# KiCad board B-Sides 2024.kicad_pcb
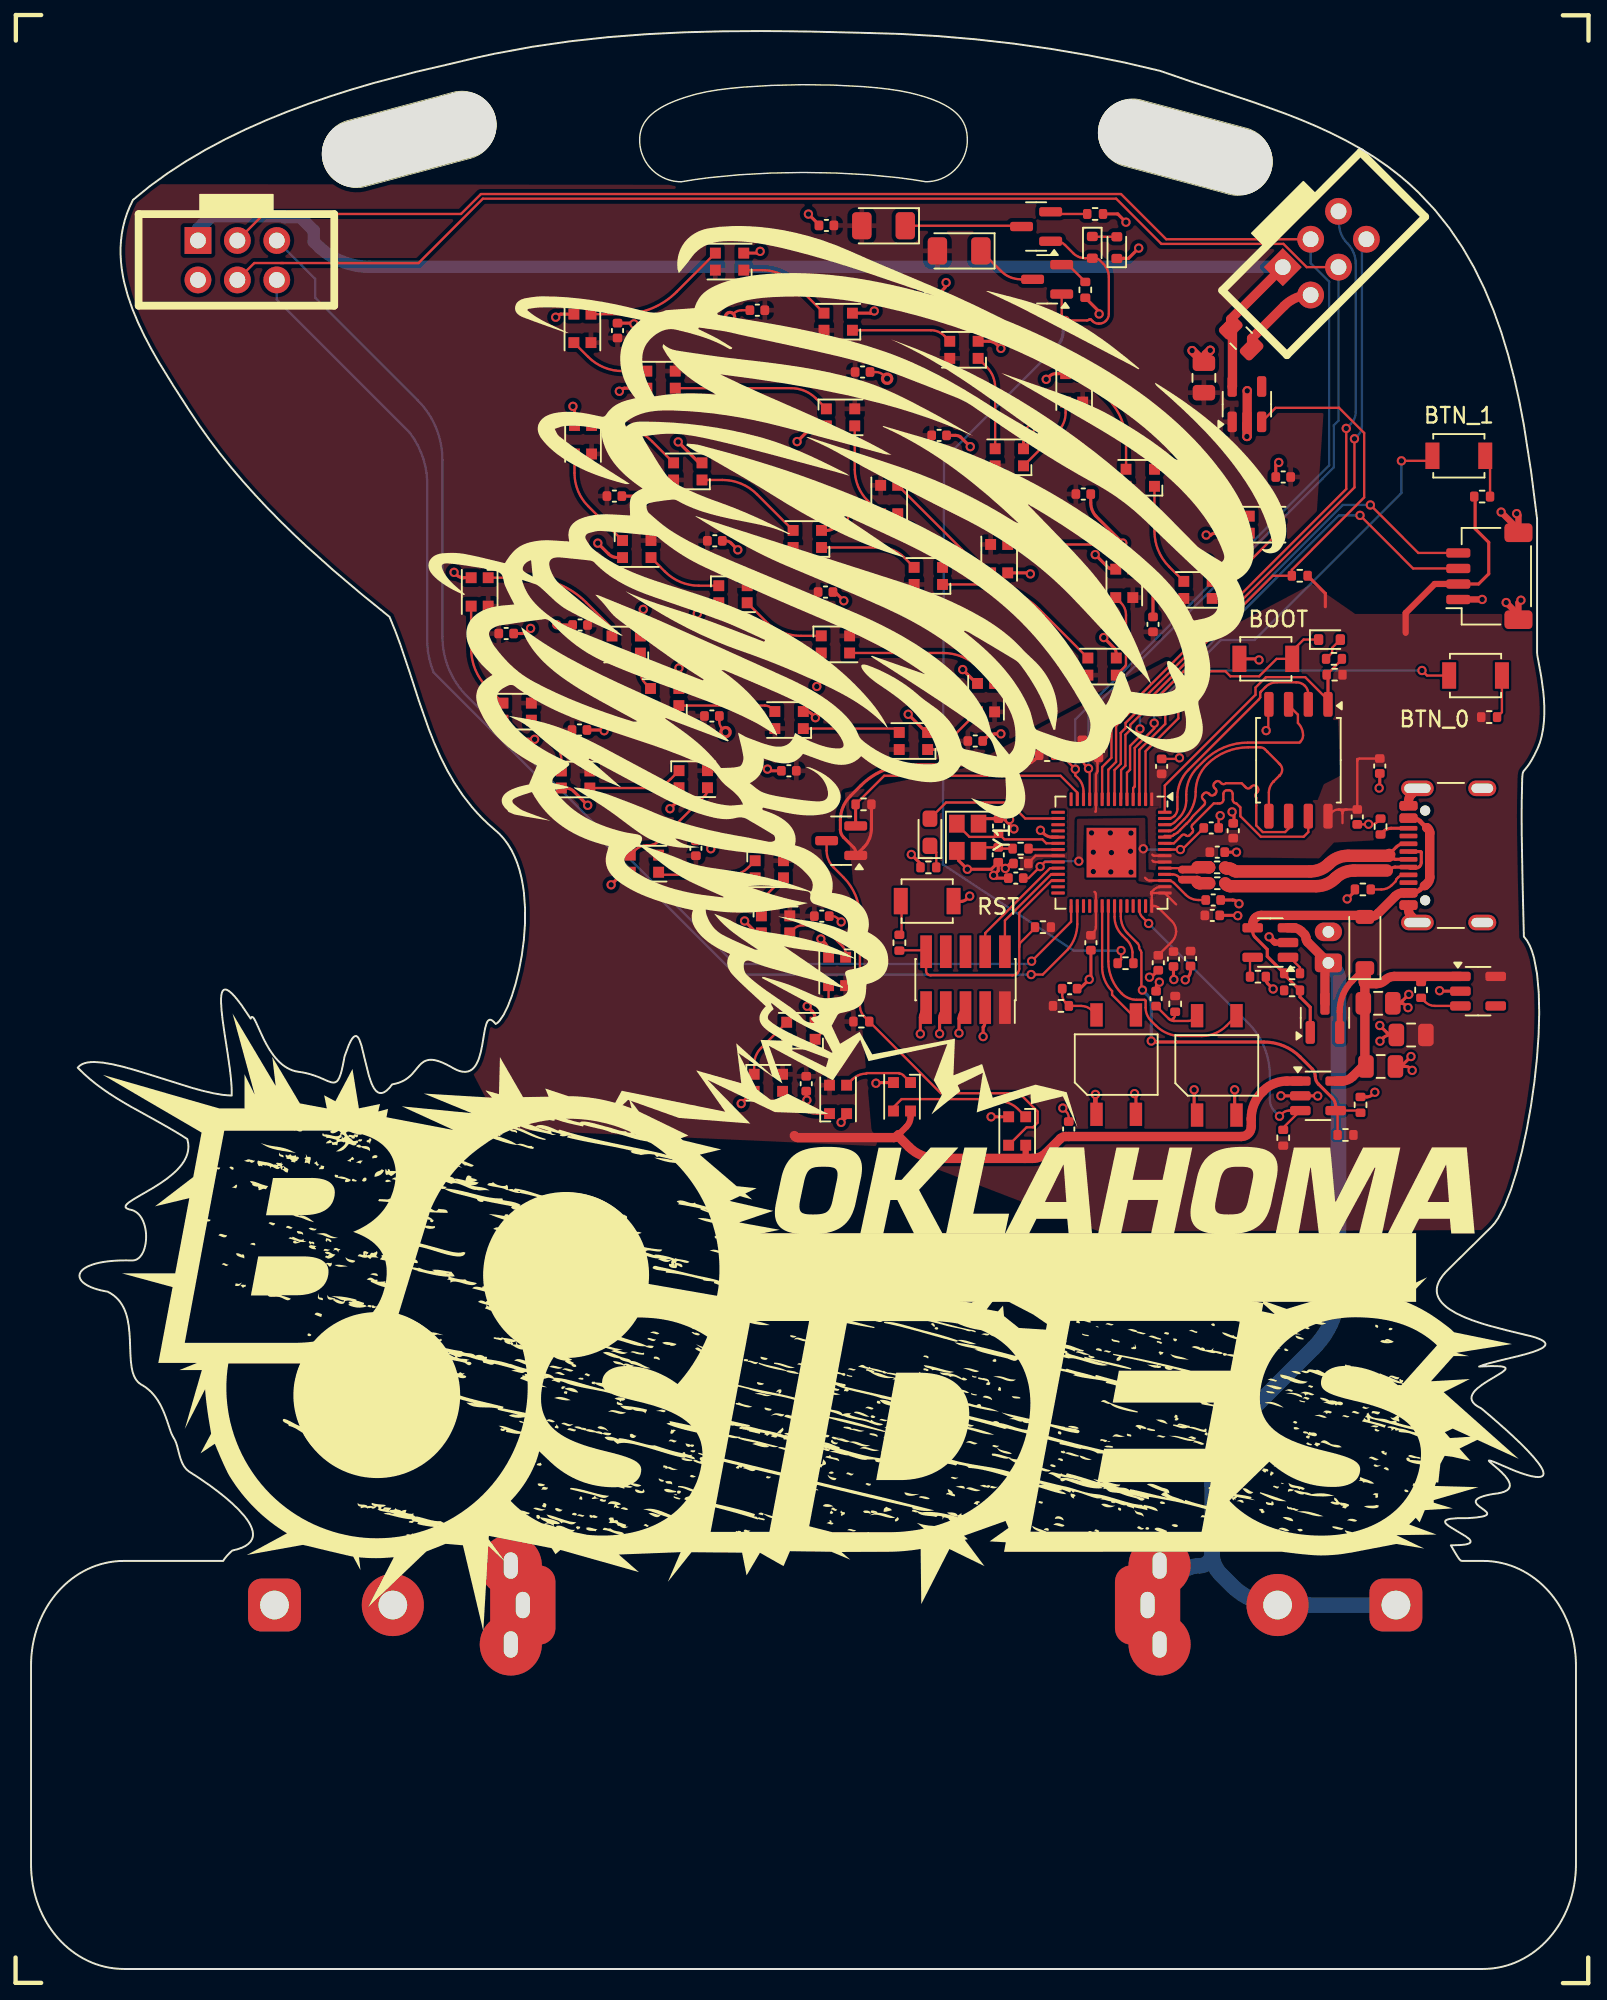
[diagram p0: board, top side]
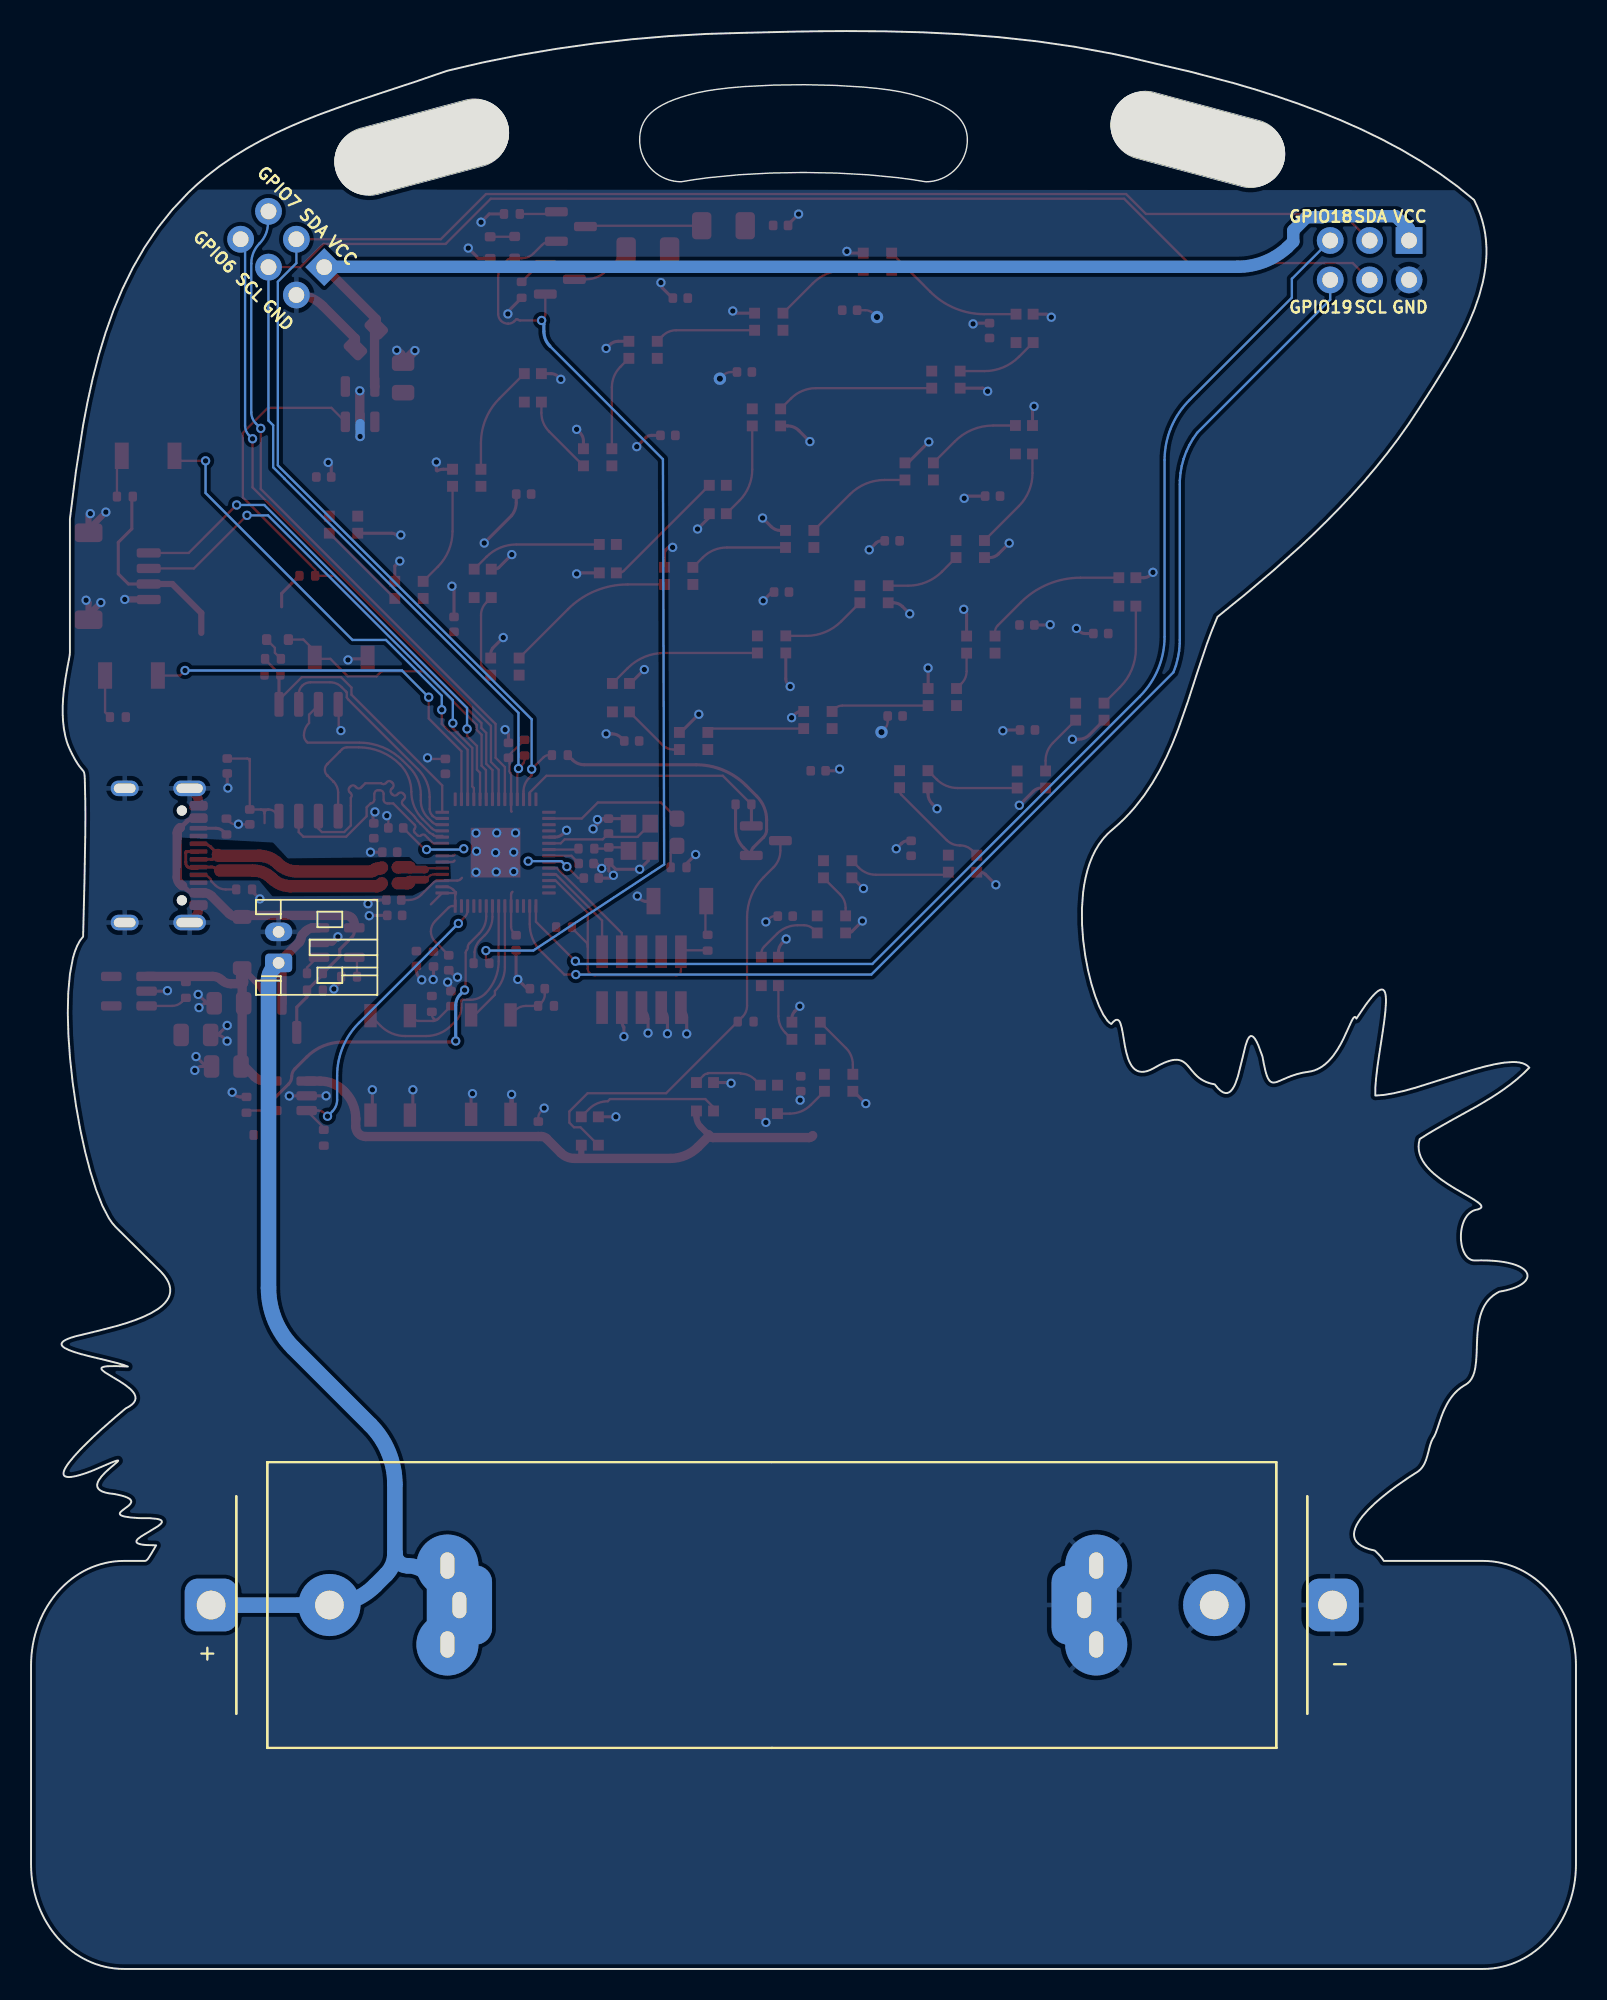
[diagram p1: board, bottom side, seen from below]

Outline 99.53 x 124.79 mm; copper layers: Top, Bottom. Coordinates in mm from the lower left corner of the outline.
Outline path: 51.69,121.31 53.57,121.22 54.44,121.14 55.25,121.05 55.97,120.94 56.6,120.82 57.15,120.68 57.65,120.53 58.09,120.38 58.49,120.22 58.84,120.05 59.14,119.87 59.4,119.69 59.62,119.5 59.81,119.3 59.96,119.1 60.08,118.89 60.18,118.68 60.24,118.46 60.29,118.23 60.31,118 60.32,117.77 60.32,117.63 60.31,117.5 60.29,117.36 60.27,117.23 60.24,117.1 60.2,116.97 60.16,116.85 60.11,116.73 60.06,116.61 60,116.49 59.93,116.38 59.86,116.27 59.79,116.17 59.71,116.07 59.63,115.97 59.54,115.87 59.44,115.79 59.35,115.7 59.24,115.62 59.14,115.55 59.03,115.48 58.92,115.41 58.8,115.35 58.68,115.3 58.56,115.25 58.44,115.21 58.31,115.17 58.18,115.14 58.05,115.12 57.91,115.1 57.78,115.09 57.64,115.09 56.78,115.23 55.87,115.35 53.93,115.54 51.88,115.65 49.77,115.69 47.66,115.65 45.6,115.54 43.66,115.35 42.75,115.23 41.89,115.09 41.76,115.09 41.62,115.1 41.49,115.12 41.35,115.14 41.22,115.17 41.1,115.21 40.97,115.25 40.85,115.3 40.73,115.35 40.62,115.41 40.5,115.48 40.39,115.55 40.29,115.62 40.19,115.7 40.09,115.79 40,115.87 39.91,115.97 39.82,116.07 39.74,116.17 39.67,116.27 39.6,116.38 39.53,116.49 39.48,116.61 39.42,116.73 39.37,116.85 39.33,116.97 39.3,117.1 39.27,117.23 39.24,117.36 39.22,117.5 39.21,117.63 39.21,117.77 39.21,117.88 39.22,117.99 39.23,118.1 39.25,118.21 39.27,118.31 39.3,118.42 39.34,118.52 39.38,118.63 39.42,118.73 39.48,118.83 39.54,118.93 39.61,119.03 39.69,119.13 39.77,119.22 39.86,119.32 39.96,119.41 40.07,119.51 40.19,119.6 40.32,119.69 40.45,119.78 40.6,119.87 40.76,119.96 40.92,120.04 41.1,120.13 41.29,120.21 41.49,120.29 41.7,120.37 41.92,120.45 42.15,120.53 42.4,120.6 42.65,120.68 42.92,120.75 43.53,120.88 44.23,121 45.02,121.1 45.87,121.18 47.73,121.29 49.71,121.34 closed ; 48.68,124.78 50.34,124.76 53.68,124.68 56.03,124.61 58.42,124.47 60.84,124.26 63.26,123.99 65.68,123.65 68.07,123.24 70.43,122.77 72.73,122.23 74.74,121.54 76.77,120.87 78.81,120.19 80.83,119.47 81.82,119.08 82.8,118.66 83.76,118.22 84.7,117.75 85.62,117.24 86.52,116.69 87.38,116.09 88.22,115.45 88.81,114.93 89.38,114.4 90.44,113.28 91.38,112.1 92.22,110.86 92.97,109.56 93.63,108.21 94.22,106.82 94.73,105.39 95.17,103.93 95.55,102.45 95.89,100.94 96.18,99.43 96.65,96.39 97.03,93.37 97.03,84.76 97.04,84.63 97.07,84.43 97.18,83.88 97.31,83.14 97.42,82.28 97.47,81.81 97.49,81.33 97.5,80.85 97.47,80.36 97.42,79.87 97.33,79.4 97.27,79.17 97.2,78.94 97.12,78.72 97.02,78.51 96.84,78.13 96.68,77.84 96.54,77.62 96.43,77.46 96.15,77.13 96.12,77.06 96.1,76.96 96.08,76.83 96.07,76.66 96.04,75.19 96.03,74.23 96.04,72.97 96.09,70.07 96.18,66.48 96.38,66.22 96.55,65.9 96.71,65.53 96.84,65.09 97.03,64.07 97.14,62.89 97.17,61.56 97.13,60.13 97.02,58.64 96.85,57.11 96.63,55.58 96.37,54.09 96.06,52.66 95.71,51.34 95.34,50.16 94.94,49.15 94.52,48.35 94.31,48.04 94.09,47.79 91.39,45.12 91.15,44.88 90.95,44.65 90.79,44.42 90.68,44.21 90.6,44 90.57,43.8 90.57,43.61 90.6,43.42 90.66,43.25 90.76,43.08 90.88,42.92 91.03,42.77 91.19,42.62 91.38,42.48 91.82,42.22 92.31,41.99 92.85,41.77 93.4,41.58 93.97,41.41 95.06,41.13 95.98,40.9 96.68,40.74 96.94,40.66 97.16,40.58 97.33,40.5 97.45,40.42 97.53,40.35 97.56,40.27 97.56,40.2 97.53,40.13 97.46,40.06 97.37,39.99 97.09,39.85 96.73,39.72 96.31,39.6 95.84,39.47 94.86,39.23 93.95,39.01 93.58,38.9 93.29,38.79 94.07,38.82 94.6,38.81 94.77,38.79 94.9,38.76 94.97,38.73 95,38.68 94.99,38.62 94.95,38.56 94.77,38.42 94.17,38.05 93.81,37.84 93.47,37.61 93.16,37.37 93.04,37.25 92.93,37.12 92.86,36.99 92.81,36.86 92.8,36.74 92.83,36.61 92.9,36.48 93.03,36.35 93.2,36.22 93.43,36.1 94.11,35.53 95,34.75 95.47,34.31 95.94,33.86 96.38,33.42 96.77,33 97.09,32.61 97.21,32.43 97.32,32.27 97.39,32.12 97.43,31.99 97.44,31.88 97.42,31.8 97.39,31.76 97.35,31.73 97.25,31.69 97.1,31.67 96.91,31.69 96.66,31.73 96.37,31.81 96.02,31.92 95.62,32.07 94.36,32.61 94.06,32.72 93.93,32.74 93.92,32.73 93.94,32.69 94.06,32.58 94.5,32.21 94.75,31.98 94.98,31.73 95.17,31.48 95.23,31.35 95.27,31.23 95.27,31.12 95.25,31.01 95.19,30.91 95.08,30.82 94.94,30.74 94.74,30.67 94.49,30.62 94.18,30.59 93.91,30.53 93.68,30.48 93.5,30.42 93.35,30.36 93.24,30.31 93.16,30.25 93.1,30.19 93.08,30.13 93.08,30.07 93.1,30.01 93.13,29.95 93.18,29.9 93.31,29.78 93.46,29.67 93.61,29.56 93.73,29.46 93.78,29.41 93.81,29.36 93.82,29.32 93.8,29.27 93.77,29.23 93.7,29.2 93.61,29.16 93.48,29.13 93.12,29.07 92.58,29.03 91.88,29.03 91.42,28.98 91.27,28.95 91.17,28.9 91.12,28.85 91.1,28.8 91.12,28.73 91.17,28.66 91.35,28.51 91.89,28.19 92.44,27.85 92.64,27.7 92.71,27.63 92.74,27.56 92.74,27.5 92.71,27.44 92.63,27.39 92.51,27.35 92.34,27.32 92.11,27.3 91.47,27.28 91.58,27.09 91.67,26.93 91.76,26.79 92.28,26.28 93.55,26.28 93.86,26.27 94.16,26.24 94.46,26.2 94.76,26.14 95.05,26.06 95.33,25.97 95.61,25.87 95.88,25.75 96.15,25.61 96.4,25.47 96.66,25.3 96.9,25.13 97.13,24.94 97.36,24.74 97.58,24.53 97.78,24.31 97.98,24.08 98.17,23.83 98.35,23.58 98.51,23.31 98.67,23.04 98.81,22.76 98.94,22.47 99.06,22.17 99.17,21.86 99.26,21.55 99.35,21.23 99.41,20.91 99.46,20.57 99.5,20.24 99.53,19.89 99.53,19.55 99.53,6.73 99.53,6.38 99.5,6.04 99.46,5.7 99.41,5.37 99.35,5.04 99.26,4.72 99.17,4.41 99.06,4.1 98.94,3.81 98.81,3.52 98.67,3.23 98.51,2.96 98.35,2.7 98.17,2.44 97.98,2.2 97.78,1.97 97.58,1.74 97.36,1.53 97.13,1.33 96.9,1.15 96.66,0.97 96.4,0.81 96.15,0.66 95.88,0.53 95.61,0.41 95.33,0.3 95.05,0.21 94.76,0.14 94.46,0.08 94.16,0.03 93.86,0.01 93.55,0 5.99,0 5.68,0.01 5.37,0.03 5.07,0.08 4.78,0.14 4.49,0.21 4.2,0.3 3.92,0.41 3.65,0.53 3.39,0.66 3.13,0.81 2.88,0.97 2.63,1.15 2.4,1.33 2.17,1.53 1.96,1.74 1.75,1.97 1.55,2.2 1.36,2.44 1.19,2.7 1.02,2.96 0.86,3.23 0.72,3.52 0.59,3.81 0.47,4.1 0.36,4.41 0.27,4.72 0.19,5.04 0.12,5.37 0.07,5.7 0.03,6.04 0.01,6.38 0,6.73 0,19.55 0.01,19.89 0.03,20.24 0.07,20.57 0.12,20.91 0.19,21.23 0.27,21.55 0.36,21.86 0.47,22.17 0.59,22.47 0.72,22.76 0.86,23.04 1.02,23.31 1.19,23.58 1.36,23.83 1.55,24.08 1.75,24.31 1.96,24.53 2.17,24.74 2.4,24.94 2.63,25.13 2.88,25.3 3.13,25.47 3.39,25.61 3.65,25.75 3.92,25.87 4.2,25.97 4.49,26.06 4.78,26.14 5.07,26.2 5.37,26.24 5.68,26.27 5.99,26.28 12.38,26.28 12.59,26.56 12.67,26.65 12.75,26.74 12.85,26.84 12.96,26.94 13.3,27.03 13.59,27.13 13.82,27.24 14,27.37 14.14,27.51 14.23,27.66 14.28,27.83 14.3,28 14.28,28.18 14.23,28.37 14.14,28.56 14.03,28.76 13.9,28.96 13.74,29.17 13.37,29.58 12.95,29.99 12.49,30.38 12.02,30.76 11.56,31.1 10.76,31.66 10.26,31.98 10.18,32.03 10.12,32.08 10.06,32.13 10,32.19 9.95,32.25 9.9,32.31 9.85,32.38 9.81,32.45 9.77,32.52 9.74,32.59 9.67,32.74 9.62,32.89 9.57,33.05 9.41,33.67 9.36,33.82 9.31,33.96 9.25,34.09 9.22,34.15 9.18,34.21 9.11,34.34 9.04,34.5 8.97,34.68 8.9,34.89 8.75,35.34 8.66,35.58 8.57,35.83 8.46,36.08 8.33,36.33 8.19,36.58 8.11,36.7 8.02,36.82 7.93,36.93 7.84,37.05 7.74,37.15 7.63,37.26 7.51,37.36 7.39,37.45 7.26,37.54 7.12,37.62 6.99,37.71 6.87,37.81 6.77,37.93 6.69,38.07 6.62,38.22 6.56,38.38 6.52,38.56 6.48,38.74 6.43,39.14 6.4,39.57 6.37,40.48 6.34,40.95 6.29,41.41 6.21,41.86 6.16,42.08 6.09,42.29 6.01,42.49 5.91,42.69 5.79,42.87 5.66,43.05 5.51,43.21 5.34,43.36 5.15,43.49 4.93,43.61 4.69,43.66 4.45,43.71 4.24,43.77 4.05,43.83 3.87,43.9 3.71,43.97 3.57,44.05 3.45,44.13 3.35,44.21 3.27,44.3 3.2,44.38 3.15,44.47 3.13,44.56 3.12,44.65 3.13,44.74 3.17,44.82 3.22,44.91 3.29,44.99 3.38,45.07 3.49,45.15 3.63,45.22 3.78,45.29 3.95,45.36 4.15,45.42 4.36,45.47 4.6,45.52 4.86,45.55 5.14,45.59 5.44,45.61 5.76,45.62 6.11,45.63 6.47,45.62 6.58,45.62 6.68,45.64 6.78,45.68 6.87,45.72 6.95,45.79 7.02,45.86 7.09,45.95 7.16,46.04 7.21,46.15 7.26,46.26 7.3,46.38 7.34,46.51 7.37,46.65 7.39,46.78 7.4,46.93 7.41,47.07 7.41,47.21 7.41,47.36 7.39,47.51 7.37,47.65 7.34,47.79 7.3,47.93 7.26,48.06 7.21,48.19 7.15,48.31 7.08,48.42 7,48.52 6.92,48.61 6.83,48.7 6.72,48.77 6.62,48.83 6.5,48.87 6.33,48.91 6.21,48.95 6.13,49 6.09,49.06 6.09,49.13 6.13,49.2 6.2,49.27 6.3,49.36 6.58,49.54 6.94,49.76 7.82,50.27 8.29,50.56 8.75,50.89 9.19,51.24 9.39,51.43 9.57,51.62 9.73,51.82 9.87,52.03 9.98,52.25 10.07,52.47 10.12,52.7 10.14,52.94 10.12,53.19 10.07,53.44 9.62,53.72 9.17,54 8.25,54.52 6.39,55.55 5.94,55.82 5.48,56.09 5.04,56.38 4.61,56.67 4.19,56.99 3.78,57.32 3.38,57.67 3.01,58.04 3.12,58.16 3.27,58.25 3.44,58.32 3.63,58.37 3.85,58.4 4.09,58.4 4.63,58.36 5.23,58.26 5.9,58.11 6.6,57.91 7.34,57.69 10.36,56.74 11.08,56.55 11.75,56.39 12.37,56.28 12.93,56.24 12.92,56.78 12.87,57.41 12.79,58.12 12.68,58.86 12.45,60.37 12.35,61.08 12.27,61.72 12.24,62.27 12.24,62.5 12.26,62.69 12.29,62.85 12.34,62.97 12.41,63.05 12.5,63.07 12.61,63.05 12.75,62.98 12.91,62.84 13.1,62.65 13.31,62.39 13.56,62.06 14.15,61.2 14.18,61.26 14.21,61.29 14.25,61.3 14.28,61.29 14.32,61.26 14.36,61.2 14.46,61.04 14.98,59.89 15.16,59.54 15.37,59.19 15.6,58.85 15.73,58.69 15.87,58.54 16.01,58.4 16.16,58.26 16.32,58.14 16.48,58.03 16.66,57.94 16.84,57.87 17.04,57.81 17.24,57.77 17.45,57.74 17.64,57.7 17.83,57.66 18,57.61 18.32,57.51 18.59,57.4 19.05,57.21 19.23,57.13 19.31,57.11 19.39,57.09 19.46,57.08 19.52,57.08 19.59,57.09 19.64,57.12 19.7,57.16 19.75,57.21 19.8,57.28 19.85,57.36 19.89,57.47 19.93,57.59 19.98,57.73 20.02,57.89 20.11,58.27 20.2,58.76 20.46,59.47 20.58,59.72 20.68,59.9 20.78,60.01 20.87,60.07 20.95,60.08 21.03,60.03 21.1,59.95 21.16,59.82 21.29,59.47 21.52,58.52 21.78,57.49 21.93,57.04 22.02,56.84 22.12,56.68 22.22,56.55 22.34,56.46 22.46,56.41 22.6,56.4 22.75,56.45 22.91,56.56 23.08,56.73 23.27,56.97 23.46,57 23.63,57.05 23.79,57.1 23.94,57.17 24.07,57.24 24.19,57.31 24.3,57.4 24.4,57.48 24.49,57.57 24.58,57.66 24.74,57.85 24.88,58.02 25.03,58.19 25.1,58.26 25.18,58.33 25.26,58.39 25.34,58.44 25.43,58.49 25.53,58.52 25.64,58.54 25.75,58.55 25.88,58.54 26.02,58.52 26.17,58.48 26.34,58.43 26.52,58.36 26.72,58.26 26.94,58.15 27.18,58.02 27.41,57.9 27.62,57.82 27.82,57.77 28,57.77 28.15,57.79 28.3,57.85 28.42,57.93 28.54,58.04 28.63,58.17 28.72,58.32 28.8,58.49 28.87,58.67 28.98,59.05 29.06,59.46 29.2,60.25 29.26,60.6 29.34,60.87 29.38,60.97 29.43,61.05 29.49,61.1 29.56,61.13 29.64,61.11 29.72,61.07 29.82,60.98 29.94,60.85 30.06,60.93 30.18,61.06 30.45,61.45 30.72,61.99 30.98,62.66 31.22,63.44 31.44,64.32 31.62,65.27 31.75,66.26 31.82,67.28 31.83,68.31 31.75,69.32 31.68,69.81 31.59,70.29 31.47,70.76 31.33,71.21 31.16,71.64 30.95,72.04 30.72,72.42 30.46,72.78 30.17,73.1 29.84,73.39 29.45,73.73 29.09,74.08 28.74,74.44 28.41,74.81 27.81,75.58 27.28,76.38 26.8,77.21 26.37,78.06 25.98,78.94 25.63,79.83 24.99,81.64 24.4,83.47 23.79,85.29 23.46,86.19 23.1,87.07 21.28,88.54 19.5,90.05 17.76,91.61 16.9,92.41 16.07,93.22 15.25,94.06 14.45,94.91 13.67,95.78 12.92,96.66 12.18,97.57 11.48,98.51 10.8,99.46 10.14,100.44 9.18,101.93 8.21,103.51 7.74,104.34 7.3,105.18 6.89,106.03 6.53,106.89 6.23,107.77 5.99,108.65 5.91,109.09 5.84,109.53 5.79,109.97 5.77,110.42 5.77,110.86 5.8,111.3 5.85,111.74 5.93,112.18 6.04,112.62 6.19,113.06 6.36,113.49 6.57,113.92 7.66,114.81 8.8,115.64 10,116.42 11.24,117.15 12.52,117.83 13.83,118.46 15.17,119.05 16.52,119.61 17.89,120.12 19.27,120.59 20.66,121.03 22.04,121.43 24.76,122.16 27.4,122.77 28.62,123.06 29.84,123.33 32.28,123.78 34.72,124.13 37.17,124.4 39.62,124.59 42.08,124.71 44.54,124.78 47.02,124.79 closed
Stack: Top 0.035mm / dielectric 1.51mm FR4 er 4.5 / Bottom 0.035mm

## Placement (name value [footprint] x y rotation side)
C1  1u  [C_0402_1005Metric]  66.91 63.13 0 top
C2  1u  [C_0402_1005Metric]  72.48 62.49 90 top
C3  1u  [C_0402_1005Metric]  51.24 112.28 180 top
C4  10u  [C_0805_2012Metric]  86.78 62.19 0 top
C5  10u  [C_0805_2012Metric]  88.91 60.15 180 top
C6  1u  [C_0402_1005Metric]  57.7 107.6 0 top
C7  10u  [C_0805_2012Metric]  75.56 102.46 90 top
C8  10u  [C_0805_2012Metric]  77.96 105.02 315 top
C10  0.1u  [C_0402_1005Metric]  85.44 74.19 270 top
C11  0.1u  [C_0402_1005Metric]  76.16 68.84 0 top
C12  1u  [C_0402_1005Metric]  60.83 79.08 0 top
C13  1u  [C_0402_1005Metric]  35.37 86.55 180 top
C14  1u  [C_0402_1005Metric]  37.78 105.51 90 top
C15  1u  [C_0402_1005Metric]  50.94 67.8 0 top
C16  10u  [C_0805_2012Metric]  86.95 58.12 0 top
C17  1u  [C_0402_1005Metric]  86.89 77.47 270 top
C18  1u  [C_0402_1005Metric]  43.86 80.69 0 top
C19  1u  [C_0402_1005Metric]  51.18 88.67 0 top
C20  1u  [C_0402_1005Metric]  67.79 94.98 0 top
C21  1u  [C_0402_1005Metric]  80.67 96.08 180 top
C22  1u  [C_0402_1005Metric]  35.33 79.79 0 top
C23  1u  [C_0402_1005Metric]  72.28 86.59 90 top
C24  1u  [C_0402_1005Metric]  44.05 91.97 0 top
C25  1u  [C_0402_1005Metric]  53.57 102.84 0 top
C26  1u  [C_0402_1005Metric]  58.5 98.76 0 top
C27  1u  [C_0402_1005Metric]  48.82 77.16 180 top
C28  1u  [C_0402_1005Metric]  30.61 86 0 top
C29  1u  [C_0402_1005Metric]  37.58 94.85 0 top
C30  1u  [C_0402_1005Metric]  46.79 106.82 180 top
C31  1u  [C_0402_1005Metric]  49.94 57.01 270 top
C32  1u  [C_0402_1005Metric]  66.85 54.09 90 top
C33  1u  [C_0402_1005Metric]  42.83 72.17 90 top
C40  0.1u  [C_0402_1005Metric]  63.44 70.25 180 top
C41  1u  [C_0402_1005Metric]  76.03 73.48 0 top
C42  22p  [C_0402_1005Metric]  62.31 71.75 90 top
C43  22p  [C_0402_1005Metric]  62.33 73.6 90 top
C44  1u  [C_0402_1005Metric]  76.1 67.85 0 top
C45  0.1u  [C_0402_1005Metric]  76.42 71.92 0 top
C46  0.1u  [C_0402_1005Metric]  63.77 71.19 180 top
C47  0.1u  [C_0402_1005Metric]  74.7 65.07 270 top
C48  0.1u  [C_0402_1005Metric]  68.28 66.09 270 top
C49  0.1u  [C_0402_1005Metric]  77.45 73.3 90 top
C50  0.1u  [C_0402_1005Metric]  72.62 64.8 270 top
C51  0.1u  [C_0402_1005Metric]  72.84 77.44 90 top
C52  0.1u  [C_0402_1005Metric]  73.6 65.04 270 top
C53  0.1u  [C_0402_1005Metric]  68.77 78.48 90 top
D1  1N4148WT  [D_SOD-523]  83.65 85.61 0 top
D2  LED  [LED_0603_1608Metric_Pad1.05x0.95mm_HandSolder]  57.91 73.2 90 top
D3  1N4148WT  [D_SOD-523]  68.37 110.87 270 top
D4  1N4148WT  [D_SOD-523]  69.95 110.85 90 top
D5  WS2812B  [LED_WS2812B-2020_PLCC4_2.0x2.0mm]  57.81 89.71 180 top
D6  WS2812B  [LED_WS2812B-2020_PLCC4_2.0x2.0mm]  69 83.87 180 top
D7  WS2812B  [LED_WS2812B-2020_PLCC4_2.0x2.0mm]  70.43 89.23 270 top
D9  WS2812B  [LED_WS2812B-2020_PLCC4_2.0x2.0mm]  62.37 90.82 90 top
D10  WS2812B  [LED_WS2812B-2020_PLCC4_2.0x2.0mm]  55.29 94.63 90 top
D11  WS2812B  [LED_WS2812B-2020_PLCC4_2.0x2.0mm]  52.15 99.92 0 top
D12  WS2812B  [LED_WS2812B-2020_PLCC4_2.0x2.0mm]  40.59 102.35 0 top
D13  WS2812B  [LED_WS2812B-2020_PLCC4_2.0x2.0mm]  35.52 105.65 270 top
D14  WS2812B  [LED_WS2812B-2020_PLCC4_2.0x2.0mm]  56.85 79.08 180 top
D15  WS2812B  [LED_WS2812B-2020_PLCC4_2.0x2.0mm]  61.53 81.87 270 top
D16  WS2812B  [LED_WS2812B-2020_PLCC4_2.0x2.0mm]  51.82 85.3 0 top
D17  WS2812B  [LED_WS2812B-2020_PLCC4_2.0x2.0mm]  45.22 88.53 0 top
D18  WS2812B  [LED_WS2812B-2020_PLCC4_2.0x2.0mm]  39.02 91.44 0 top
D19  WS2812B  [LED_WS2812B-2020_PLCC4_2.0x2.0mm]  35.56 98.48 270 top
D20  WS2812B  [LED_WS2812B-2020_PLCC4_2.0x2.0mm]  42.31 96.44 180 top
D21  WS2812B  [LED_WS2812B-2020_PLCC4_2.0x2.0mm]  50.01 92.09 180 top
D22  WS2812B  [LED_WS2812B-2020_PLCC4_2.0x2.0mm]  39.52 71.18 0 top
D23  WS2812B  [LED_WS2812B-2020_PLCC4_2.0x2.0mm]  42.66 76.62 0 top
D24  WS2812B  [LED_WS2812B-2020_PLCC4_2.0x2.0mm]  35.09 76.6 0 top
D25  WS2812B  [LED_WS2812B-2020_PLCC4_2.0x2.0mm]  31.32 80.97 0 top
D26  WS2812B  [LED_WS2812B-2020_PLCC4_2.0x2.0mm]  28.9 88.68 270 top
D27  WS2812B  [LED_WS2812B-2020_PLCC4_2.0x2.0mm]  38.34 85.29 180 top
D28  WS2812B  [LED_WS2812B-2020_PLCC4_2.0x2.0mm]  40.82 81.91 180 top
D29  WS2812B  [LED_WS2812B-2020_PLCC4_2.0x2.0mm]  48.84 80.43 180 top
D30  WS2812B  [LED_WS2812B-2020_PLCC4_2.0x2.0mm]  63.53 53.96 270 top
D31  WS2812B  [LED_WS2812B-2020_PLCC4_2.0x2.0mm]  56.11 56.17 270 top
D32  WS2812B  [LED_WS2812B-2020_PLCC4_2.0x2.0mm]  51.99 56 90 top
D33  WS2812B  [LED_WS2812B-2020_PLCC4_2.0x2.0mm]  47.5 57.07 0 top
D34  WS2812B  [LED_WS2812B-2020_PLCC4_2.0x2.0mm]  49.6 60.42 180 top
D35  WS2812B  [LED_WS2812B-2020_PLCC4_2.0x2.0mm]  51.93 64.24 270 top
D36  WS2812B  [LED_WS2812B-2020_PLCC4_2.0x2.0mm]  47.97 67.27 0 top
D37  WS2812B  [LED_WS2812B-2020_PLCC4_2.0x2.0mm]  47.56 70.82 0 top
D39  WS2812B  [LED_WS2812B-2020_PLCC4_2.0x2.0mm]  45 109.95 180 top
D40  WS2812B  [LED_WS2812B-2020_PLCC4_2.0x2.0mm]  52 106.08 180 top
D41  WS2812B  [LED_WS2812B-2020_PLCC4_2.0x2.0mm]  60.1 104.27 180 top
D42  WS2812B  [LED_WS2812B-2020_PLCC4_2.0x2.0mm]  63.03 97.35 180 top
D43  WS2812B  [LED_WS2812B-2020_PLCC4_2.0x2.0mm]  67.2 101.82 270 top
D44  WS2812B  [LED_WS2812B-2020_PLCC4_2.0x2.0mm]  71.46 96.03 180 top
D45  WS2812B  [LED_WS2812B-2020_PLCC4_2.0x2.0mm]  75.18 88.81 180 top
D46  WS2812B  [LED_WS2812B-2020_PLCC4_2.0x2.0mm]  79.4 93.01 0 top
D48  MBR0540  [D_SOD-123]  85.93 66.1 90 top
H1  MountingHole  [MountingHole_4.3mm_M4_11mm_slot]  74.36 117.32 255 top  (not fitted)
H2  MountingHole  [MountingHole_4.3mm_M4_11mm_slot]  24.36 117.82 105 top  (not fitted)
J1  I2C  [JST_SH_SM04B-SRSS-TB_1x04-1MP_P1.00mm_Horizontal]  93.95 89.69 90 top
J2  Conn_01x01_Pin  [Keystone 18650 clips_single]  51.81 23.44 0 bottom
J3  Conn_02x03_Counter_Clockwise  [Simple_Addon_v2-BADGE-2x3]  13.23 110.06 0 top
J4  Conn_02x03_Counter_Clockwise  [Simple_Addon_v2-BADGE-2x3]  83.28 110.46 45 top
J5  Conn_01x01_Pin  [Keystone 18650 clips_single]  51.81 23.44 180 bottom
J9  USB_C_Receptacle_USB2.0  [USB_C_Receptacle_GCT_USB4105-xx-A_16P_TopMnt_Horizontal]  92.42 71.71 90 top
J10  Conn_01x02_Male  [JST_PH_S2B-PH-K_1x02_P2.00mm_Horizontal]  83.58 64.79 90 bottom
J13  Conn_02x05_Odd_Even  [PinSocket_2x05_P1.27mm_Vertical_SMD]  60.2 63.71 270 top
LD1  SPL_PL90  [LED_1206_3216Metric]  59.79 110.64 180 top
LD2  SPL_PL90  [LED_1206_3216Metric]  54.92 112.26 180 top
NT5  micro_power  [NetTie-2_SMD_Pad0.5mm]  74.64 70.8 0 top  (not fitted)
NT6  micro_power  [NetTie-2_SMD_Pad0.5mm]  74.64 70.15 0 top  (not fitted)
Q1  2N3904  [SOT-23]  65.46 108.81 180 top
Q2  DMG2302U  [SOT-23]  52.19 72.66 180 top
Q3  2N3904  [SOT-23]  64.75 112.21 180 top
Q4  DMG2301L  [SOT-23]  83.36 61.25 90 top
R1  1k  [R_0402_1005Metric]  57.81 70.94 0 top
R2  5.1k  [R_0402_1005Metric]  70.51 64.77 180 top
R3  10k  [R_0402_1005Metric]  85.65 55.65 90 top  (not fitted)
R4  10k  [R_0402_1005Metric]  84.68 53.71 180 top  (not fitted)
R5  10k  [R_0402_1005Metric]  89.56 63.05 270 top
R6  1k  [R_0402_1005Metric]  55.94 66.09 270 top
R7  1k  [R_0402_1005Metric]  83.94 84.37 0 top
R8  10k  [R_0402_1005Metric]  80.67 53.53 90 top
R9  3.3  [R_0402_1005Metric]  73.71 62.15 270 top
R10  3.3  [R_0402_1005Metric]  68.55 113.02 0 top
R11  3.3  [R_0402_1005Metric]  67.92 108.13 270 top
R12  3.3  [R_0402_1005Metric]  66.35 62.02 0 top
R13  10k  [R_0402_1005Metric]  81.74 89.72 180 top
R14  1k  [R_0402_1005Metric]  93.49 94.82 0 top
R15  10k  [R_0402_1005Metric]  65.19 67.09 0 top  (not fitted)
R16  1k  [R_0402_1005Metric]  93.94 80.62 0 top
R17  10k  [R_0402_1005Metric]  81.24 64.12 0 top
R18  5.1k  [R_0402_1005Metric]  86.94 73.57 90 top
R19  5.1k  [R_0402_1005Metric]  85.8 69.52 180 top
R24  27  [R_0402_1005Metric]  76.41 70.94 180 top
R25  27  [R_0402_1005Metric]  76.42 69.92 180 top
R26  5.1k  [R_0402_1005Metric]  79.04 63.9 180 top
R28  10k  [R_0402_1005Metric]  83.98 83.35 180 top
R29  5.1k  [R_0402_1005Metric]  67.74 78.65 270 top
R30  5.1k  [R_0402_1005Metric]  65.46 78.17 0 top
R36  1k  [R_0402_1005Metric]  63.75 72.15 180 top
R37  5.1k  [R_0402_1005Metric]  53.49 61.01 180 top
R38  1k  [R_0402_1005Metric]  53.63 75 180 top
R39  10k  [R_0402_1005Metric]  81.24 63.02 180 top
SW1  SW_Push  [SW_SPST_B3U-1000P]  79.55 84.37 0 top
SW2  SW_Push  [SW_SPST_B3U-1000P]  57.73 68.77 0 top
SW3  SW_Push  [SW_SPST_B3U-1000P]  91.99 97.44 0 top
SW4  SW_Push  [SW_SPST_B3U-1000P]  93.06 83.29 0 top
U1  TSMP58000  [IRM-H638TTR2]  68.35 58.24 180 top  (not fitted)
U2  NCP163ASN330T1G  [SOT-23-5]  78.33 100.77 90 top
U3  RP2040  [QFN-56-1EP_7x7mm_P0.4mm_EP3.2x3.2mm]  69.61 71.89 270 top
U4  NCP163ASN330T1G  [SOT-23-5]  93.23 62.97 0 top
U7  MCP73811T-420I-OT  [SOT-23-5]  79.84 66.1 180 top
U8  W25Q128JVS  [SOIC-8_5.23x5.23mm_P1.27mm]  81.65 77.84 270 top
U9  IRM-H638T/TR2  [IRM-H638TTR2]  74.83 58.19 180 top
U10  RT9742AGJ5F  [TSOT-23-5]  82.91 56.23 0 top
Y1  12Mhz  [Crystal_SMD_2520-4Pin_2.5x2.0mm]  60.34 72.88 270 top

## Library data of the parts
C1-C3 C6 C12-C15 C17-C33 C41 C44 = -: Description: Multilayer Ceramic Capacitors MLCC - SMD/SMT  16VDC 0.1uF 10% X7R AEC-Q200; Configuration: all; Digikey Part Number: 1276-1001-1-ND; Height: 0.9; LCSC: C14445; PARTREV: V3; price: 0.1; ki_fp_filters: C_*
C4 C7 = -: Datasheet: https://www.mouser.com/datasheet/2/396/mlcc02_e-1307760.pdf; Description: Multilayer Ceramic Capacitors MLCC - SMD/SMT 0603 6.3VDC 4.7uF 10% X6S; Configuration: all; LCSC: C1713; price: 0.1; ki_fp_filters: C_*
C5 C8 C16 = -: Datasheet: https://www.mouser.com/datasheet/2/396/mlcc02_e-1307760.pdf; Description: Multilayer Ceramic Capacitors MLCC - SMD/SMT 0805 10VDC 10uF 20% X5R; Configuration: all; LCSC: C1713; price: 0.1; ki_fp_filters: C_*
C10 C11 C40 C45-C53 = -: Description: Multilayer Ceramic Capacitors MLCC - SMD/SMT  16VDC 0.1uF 10% X7R AEC-Q200; Configuration: all; Digikey Part Number: 1276-1001-1-ND; Height: 0.9; LCSC: C60474; PARTREV: V3; price: 0.1; ki_fp_filters: C_*
C42 C43 = -: Description: Multilayer Ceramic Capacitors MLCC - SMD/SMT  16VDC 0.1uF 10% X7R AEC-Q200; Configuration: all; Digikey Part Number: 1276-1001-1-ND; Height: 0.9; LCSC: C106203; PARTREV: V3; price: 0.1; ki_fp_filters: C_*
D1 D3 D4 = -: Datasheet: https://www.diodes.com/assets/Datasheets/ds30396.pdf; LCSC: C727112; Sim.Device: D; Sim.Pins: 1=K 2=A; price: 0.4; ki_fp_filters: D*SOD?523*
D2 = -: LCSC: C965799; price: 0.2; ki_fp_filters: LED* LED_SMD:* LED_THT:*
D5-D7 D9-D37 D39-D46 = -: Datasheet: https://datasheet.lcsc.com/lcsc/2012110135_Worldsemi-WS2812B-2020_C965555.pdf; LCSC: C965555; Manufacturer_Part_Number: WS2812B-2020; Mfr. Part#: XL-1615RGBC-WS2812B; price: 0.1; ki_fp_filters: LED*WS2812*PLCC*5.0x5.0mm*P3.2mm*
D48 = -: Datasheet: http://www.mccsemi.com/up_pdf/MBR0520~MBR0580(SOD123).pdf; LCSC: C116159; price: 0.3; ki_fp_filters: D*SOD?123*
H1 H2 = -: Description: Mounting Hole without connection; ki_fp_filters: MountingHole*
J1 = -: LCSC: C160404; price: 0.4; ki_fp_filters: Connector*:*_1x??_*
J2 J5 = -: Description: Generic connector, single row, 01x01, script generated; LCSC: C2979182; ki_fp_filters: Connector*:*_1x??_*
J3 J4 = -: LCSC: C92272
J9 = -: Datasheet: https://www.usb.org/sites/default/files/documents/usb_type-c.zip; LCSC: C5117884; price: 0.4; ki_fp_filters: USB*C*Receptacle*
J10 = -: LCSC: C173752; price: 0.4; ki_fp_filters: Connector*:*_1x??_*
J13 = -: LCSC: C2935458; price: 0.4; ki_fp_filters: Connector*:*_2x??_*
LD1 = -: Datasheet: http://www.osram-os.com/Graphics/XPic0/00194565_0.pdf/SPL%20PL90.pdf; Description: 20deg; LCSC: C131280; ki_fp_filters: LED*5.0mm*
LD2 = -: Datasheet: http://www.osram-os.com/Graphics/XPic0/00194565_0.pdf/SPL%20PL90.pdf; Description: 70deg; LCSC: C282224; ki_fp_filters: LED*5.0mm*
NT5 NT6 = -: ki_fp_filters: Net*Tie*
Q1 Q3 = -: Datasheet: https://www.onsemi.com/pub/Collateral/2N3903-D.PDF; LCSC: C126908; price: 0.3
Q2 = -: Datasheet: http://www.diodes.com/assets/Datasheets/DMG2302U.pdf; LCSC: C460977; price: 0.3; ki_fp_filters: SOT?23*
Q4 = -: Datasheet: https://www.diodes.com/assets/Datasheets/DMG2301L.pdf; LCSC: C460976; ki_fp_filters: SOT?23*
R1 R6 R7 R14 R16 R36 R38 = -: LCSC: C106235; ki_fp_filters: R_*
R2 R18 R19 R29 R30 = -: LCSC: C105872; price: 0.1; ki_fp_filters: R_*
R3-R5 R8 R13 R15 R17 R28 R39 = -: LCSC: C60490; ki_fp_filters: R_*
R9-R12 = -: LCSC: C412900; ki_fp_filters: R_*
R24 R25 = -: Datasheet: https://www.mouser.com/datasheet/2/219/RK73B-1825463.pdf; Description: Thick Film Resistors - SMD 1/8W 27 OHM 5%; Configuration: all; LCSC: C138021; Manufacturer_Name: KOA Speer; Manufacturer_Part_Number: RK73B1JTTDD270J; Mouser Part Number: 660-RK73B1JTTDD270J; PARTREV: V3; price: 0.1; ki_fp_filters: R_*
R26 R37 = -: Datasheet: https://www.mouser.com/datasheet/2/447/Yageo_03_18_2021_PYu_RC_Group_51_RoHS_L_11-2199992.pdf; Description: Thick Film Resistors - SMD 5.1K ohm 1%; Configuration: all; LCSC: C105872; Manufacturer_Name: Bourns; Manufacturer_Part_Number: CR0603-FX-5101ELF; Mouser Part Number: 652-CR0603FX-5101ELF; PARTREV: V3; price: 0.1; ki_fp_filters: R_*
SW1 SW2 = -: Datasheet: https://omronfs.omron.com/en_US/ecb/products/pdf/en-b3u.pdf; Description: SWITCH TACTILE SPST-NO 0.05A 12V; Digikey Part Number: SW1020CT-ND; LCSC: C843684; Manufacturer_Name: Omron; Manufacturer_Part_Number: B3U-1000P; Mfr. Part#: TL1017AAAF160QG; Mouser Part Number: 612-TL1017AAAF160QG; price: 2
SW3 SW4 = -: Datasheet: https://omronfs.omron.com/en_US/ecb/products/pdf/en-b3u.pdf; Description: SWITCH TACTILE SPST-NO 0.05A 12V; Digikey Part Number: SW1020CT-ND; Manufacturer_Name: Omron; Manufacturer_Part_Number: B3U-1000P; Mfr. Part#: TL1017AAAF160QG; Mouser Part Number: 612-TL1017AAAF160QG; LCSC: C843684; price: 2
U1 = -: Datasheet: https://datasheet.lcsc.com/lcsc/1810121714_Everlight-Elec-IRM-H638T-TR2_C91447.pdf; LCSC: C91447; Manufacturer_Part_Number: IRM-H638T/TR2; ki_fp_filters: Vishay*MINICAST*
U2 U4 = -: Datasheet: https://www.onsemi.com/pdf/datasheet/ncp163-d.pdf; LCSC: C156285; price: 1; ki_fp_filters: SOT?23*
U3 = -: Datasheet: https://datasheets.raspberrypi.com/rp2040/rp2040-datasheet.pdf; LCSC: C2040; price: 2; ki_fp_filters: QFN*1EP*7x7mm?P0.4mm*
U7 = -: Datasheet: http://ww1.microchip.com/downloads/en/DeviceDoc/22036b.pdf; LCSC: C5280697; price: 1; ki_fp_filters: SOT?23*
U8 = -: Datasheet: http://www.winbond.com/resource-files/w25q128jv_dtr%20revc%2003272018%20plus.pdf; LCSC: C82317; price: 2; ki_fp_filters: SOIC*5.23x5.23mm*P1.27mm*
U9 = -: Datasheet: https://datasheet.lcsc.com/lcsc/1810121714_Everlight-Elec-IRM-H638T-TR2_C91447.pdf; LCSC: C91447; ki_fp_filters: Vishay*MINICAST*
U10 = -: Datasheet: https://www.richtek.com/assets/product_file/RT9742/DS9742-10.pdf; Alternate Part Number 1: AP22814BW5-7; LCSC: C3001659; price: 0.5; ki_fp_filters: TSOT?23*
Y1 = -: Description: 12Mhz 12pF; LCSC: C2149206; Manufacturer_Part_Number: ECS-120-12-30B-AGM-TR; Mouser Part Number: 520-120-12-30B-AGMT; price: 0.5; ki_fp_filters: Crystal*

## Footprints (pads in the part's own frame, mm; a bottom-side part is the same pattern mirrored in y, then rotated)
C_0402_1005Metric
  rrect 0.56x0.62 smd: 1(-0.48,0) 2(0.48,0)
C_0805_2012Metric
  rrect 1x1.45 smd: 1(-0.95,0) 2(0.95,0)
Crystal_SMD_2520-4Pin_2.5x2.0mm
  rect 1.15x1 smd: 1(-0.875,-0.7) 2(0.875,-0.7) 3(0.875,0.7) 4(-0.875,0.7)
D_SOD-123
  rrect 0.9x1.2 smd: 1(-1.65,0) 2(1.65,0)
D_SOD-523
  rrect 0.6x0.7 smd: 1(-0.7,0) 2(0.7,0)
IRM-H638TTR2
  rect 0.8x1.5 smd: 1(-0.29,3.2) 2(-2.83,3.2) 3(-2.83,-3.2) 4(-0.29,-3.2)
JST_PH_S2B-PH-K_1x02_P2.00mm_Horizontal
  rrect 1.2x1.75 hole 0.75: 1(0,0)
  oval 1.2x1.75 hole 0.75: 2(2,0)
JST_SH_SM04B-SRSS-TB_1x04-1MP_P1.00mm_Horizontal
  rrect 0.6x1.55 smd: 1(-1.5,2) 2(-0.5,2) 3(0.5,2) 4(1.5,2)
  rrect 1.2x1.8 smd: MP(-2.8,-1.875) MP(2.8,-1.875)
Keystone 18650 clips_single
  rrect 4.2x5.1 hole 0.9x1.7: 1(20.125,0)
  round 4 hole 0.9x1.7: 1(20.9,-2.54) 1(20.9,2.54)
  round 4 hole 1.85: 1(28.5,0)
  rrect 3.4x3.4 hole 1.85: 1(36.125,0)
LED_0603_1608Metric_Pad1.05x0.95mm_HandSolder
  rrect 1.05x0.95 smd: 1(-0.875,0) 2(0.875,0)
LED_1206_3216Metric
  rrect 1.25x1.75 smd: 1(-1.4,0) 2(1.4,0)
LED_WS2812B-2020_PLCC4_2.0x2.0mm
  rect 0.7x0.7 smd: 1(-0.915,0.55) 2(-0.915,-0.55) 3(0.915,-0.55) 4(0.915,0.55)
MountingHole_4.3mm_M4_11mm_slot
  oval 4.3x11.5 hole 4.3x11.5 unplated: (0,0)
NetTie-2_SMD_Pad0.5mm
  round 0.5 smd: 1(-0.5,0) 2(0.5,0)
PinSocket_2x05_P1.27mm_Vertical_SMD
  rect 2.1x0.75 smd: 1(1.8,2.54) 2(-1.8,2.54) 3(1.8,1.27) 4(-1.8,1.27) 5(1.8,0) 6(-1.8,0) 7(1.8,-1.27) 8(-1.8,-1.27) 9(1.8,-2.54) 10(-1.8,-2.54)
QFN-56-1EP_7x7mm_P0.4mm_EP3.2x3.2mm
  rrect 1.29x1.29 smd: (-0.8,0.8) (-0.8,-0.8) (0.8,0.8) (0.8,-0.8)
  rrect 0.875x0.2 smd: 1(-3.438,2.6) 2(-3.438,2.2) 3(-3.438,1.8) 4(-3.438,1.4) 5(-3.438,1) 6(-3.438,0.6) 7(-3.438,0.2) 8(-3.438,-0.2) 9(-3.438,-0.6) 10(-3.438,-1) 11(-3.438,-1.4) 12(-3.438,-1.8) 13(-3.438,-2.2) 14(-3.438,-2.6) 29(3.438,-2.6) 30(3.438,-2.2) 31(3.438,-1.8) 32(3.438,-1.4) 33(3.438,-1) 34(3.438,-0.6) 35(3.438,-0.2) 36(3.438,0.2) 37(3.438,0.6) 38(3.438,1) 39(3.438,1.4) 40(3.438,1.8) 41(3.438,2.2) 42(3.438,2.6)
  rrect 0.2x0.875 smd: 15(-2.6,-3.438) 16(-2.2,-3.438) 17(-1.8,-3.438) 18(-1.4,-3.438) 19(-1,-3.438) 20(-0.6,-3.438) 21(-0.2,-3.438) 22(0.2,-3.438) 23(0.6,-3.438) 24(1,-3.438) 25(1.4,-3.438) 26(1.8,-3.438) 27(2.2,-3.438) 28(2.6,-3.438) 43(2.6,3.438) 44(2.2,3.438) 45(1.8,3.438) 46(1.4,3.438) 47(1,3.438) 48(0.6,3.438) 49(0.2,3.438) 50(-0.2,3.438) 51(-0.6,3.438) 52(-1,3.438) 53(-1.4,3.438) 54(-1.8,3.438) 55(-2.2,3.438) 56(-2.6,3.438)
  rect 3.2x3.2 smd: 57(0,0)
R_0402_1005Metric
  rrect 0.54x0.64 smd: 1(-0.51,0) 2(0.51,0)
Simple_Addon_v2-BADGE-2x3
  rect 1.727x1.727 hole 1.016: 1(-2.48,1.25)
  round 1.727 hole 1.016: 2(-2.48,-1.29) 5(2.6,1.25) 6(2.6,-1.29)
  oval 1.727x1.727 hole 1.016: 3(0.06,1.25) 4(0.06,-1.29)
SOIC-8_5.23x5.23mm_P1.27mm
  rrect 1.6x0.6 smd: 1(-3.6,1.905) 2(-3.6,0.635) 3(-3.6,-0.635) 4(-3.6,-1.905) 5(3.6,-1.905) 6(3.6,-0.635) 7(3.6,0.635) 8(3.6,1.905)
SOT-23
  rrect 1.475x0.6 smd: 1(-0.938,0.95) 2(-0.938,-0.95) 3(0.938,0)
SOT-23-5
  rrect 1.325x0.6 smd: 1(-1.137,0.95) 2(-1.137,0) 3(-1.137,-0.95) 4(1.137,-0.95) 5(1.137,0.95)
SW_SPST_B3U-1000P
  rect 0.9x1.7 smd: 1(-1.7,0) 2(1.7,0)
TSOT-23-5
  rrect 1.325x0.6 smd: 1(-1.137,0.95) 2(-1.137,0) 3(-1.137,-0.95) 4(1.137,-0.95) 5(1.137,0.95)
USB_C_Receptacle_GCT_USB4105-xx-A_16P_TopMnt_Horizontal
  round 0.65 hole 0.65 unplated: (-2.89,2.605) (2.89,2.605)
  rrect 0.6x1.15 smd: A1(-3.2,3.68) A4(-2.4,3.68) A9(2.4,3.68) A12(3.2,3.68) B1(3.2,3.68) B4(2.4,3.68) B9(-2.4,3.68) B12(-3.2,3.68)
  rrect 0.3x1.15 smd: A5(-1.25,3.68) A6(-0.25,3.68) A7(0.25,3.68) A8(1.25,3.68) B5(1.75,3.68) B6(0.75,3.68) B7(-0.75,3.68) B8(-1.75,3.68)
  oval 1x2.1 hole 0.6x1.7: S1(-4.32,3.105) S1(4.32,3.105)
  oval 1x1.8 hole 0.6x1.4: S1(-4.32,-1.075) S1(4.32,-1.075)
